# Altium PCB MiniPC.PcbDoc (part 3 of 23) (continued)
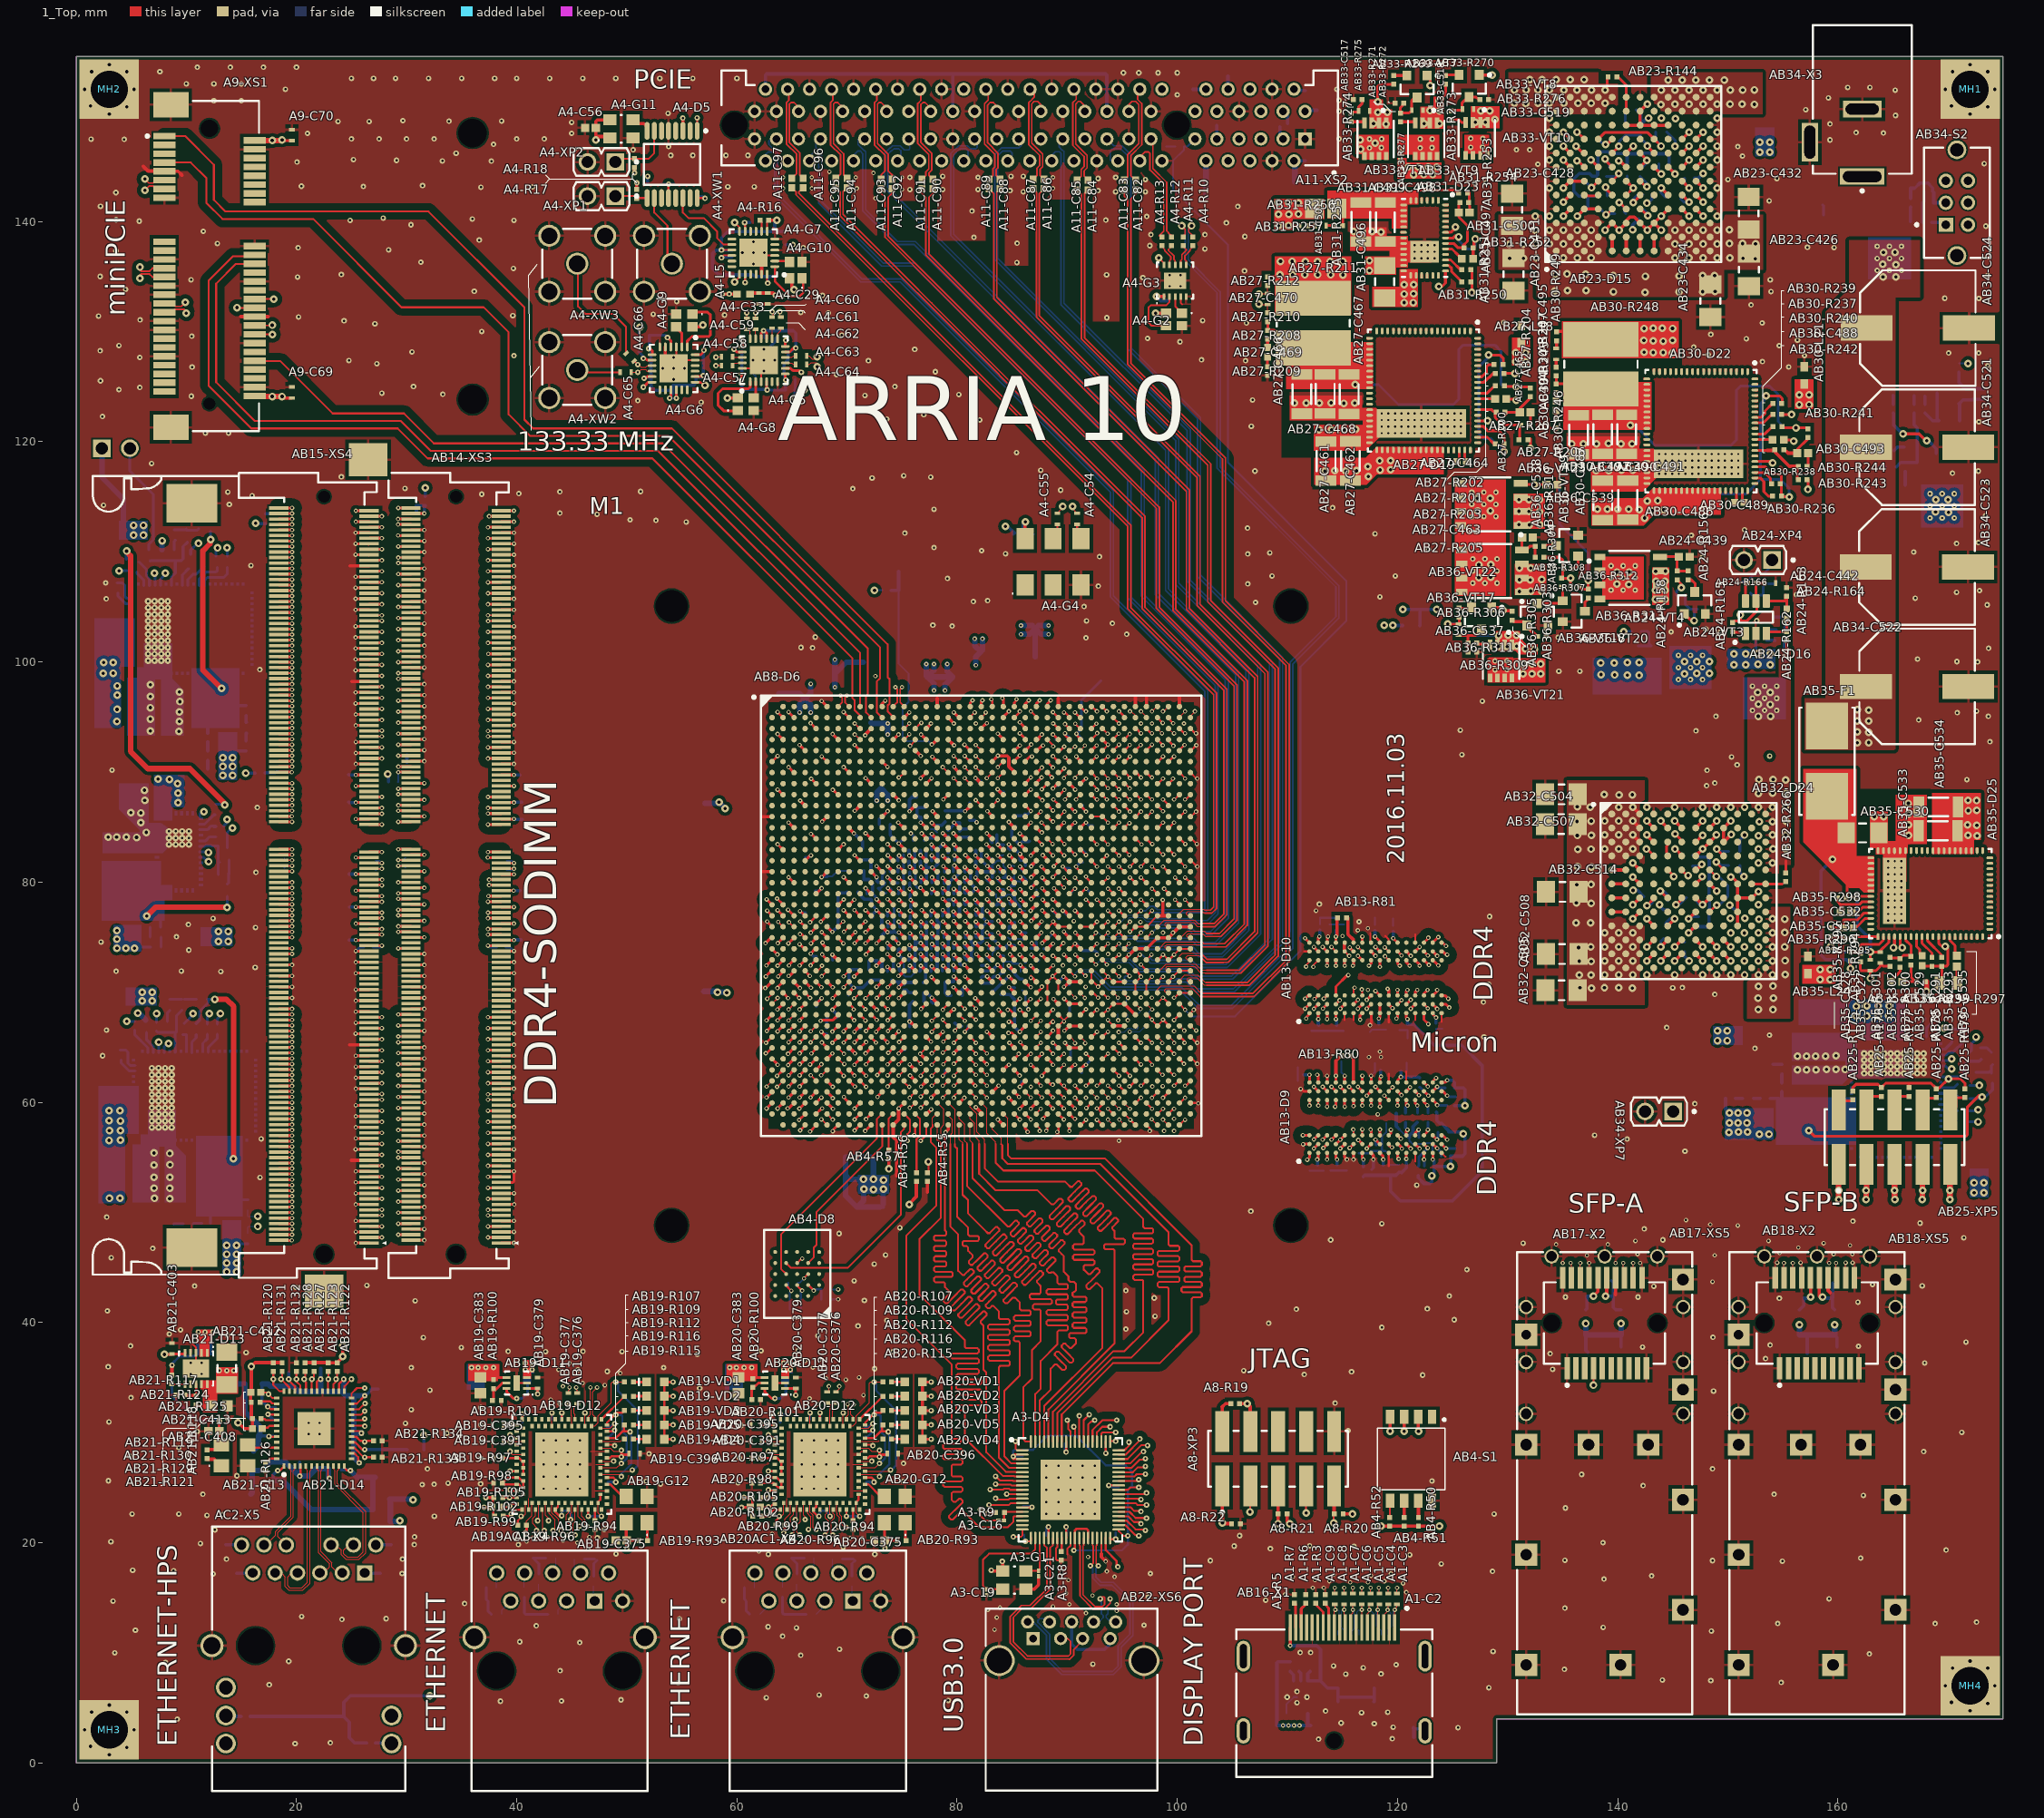
[diagram p0: 1_Top view]
## Components (designator, comment, footprint, x,y, rotation, side; value= is the part's Value field where it differs from the comment) (continued)
AB13-C342 "GRM033R60J104KE19D" CAPC0603X33X15LL03T05 118.2,62.9 r0 bottom locked (schematic designator C342)
AB13-C343 "GRM033R60J104KE19D" CAPC0603X33X15LL03T05 114.65,62.95 r180 bottom locked (schematic designator C343)
AB13-C344 "GRM033R60J104KE19D" CAPC0603X33X15LL03T05 120.575,62.825 r180 bottom locked (schematic designator C344)
AB13-C345 "GRM033R60J104KE19D" CAPC0603X33X15LL03T05 118.975,54.3 r180 bottom locked (schematic designator C345)
AB13-C346 "GRM033R60J104KE19D" CAPC0603X33X15LL03T05 118.325,56.175 r180 bottom locked (schematic designator C346)
AB13-C347 "GRM033R60J104KE19D" CAPC0603X33X15LL03T05 112.85,66.75 r90 bottom locked (schematic designator C347)
AB13-C348 "GRM033R60J104KE19D" CAPC0603X33X15LL03T05 112.725,54.05 r90 bottom locked (schematic designator C348)
AB13-C349 "GRM033R60J104KE19D" CAPC0603X33X15LL03T05 118.3,66.85 r90 bottom locked (schematic designator C349)
AB13-C350 "GRM033R60J104KE19D" CAPC0603X33X15LL03T05 112.95,75.9 r270 bottom locked (schematic designator C350)
AB13-C351 "GRM033R60J104KE19D" CAPC0603X33X15LL03T05 119.6,75.75 r270 bottom locked (schematic designator C351)
AB13-C352 "GRM033R60J104KE19D" CAPC0603X33X15LL03T05 123.5,66.925 r90 bottom locked (schematic designator C352)
AB13-C353 "GRM033R60J104KE19D" CAPC0603X33X15LL03T05 114.425,75.9 r270 bottom locked (schematic designator C353)
AB13-C354 "GRM033R60J104KE19D" CAPC0603X33X15LL03T05 117.95,75.85 r270 bottom locked (schematic designator C354)
AB13-C355 "GRM033R60J104KE19D" CAPC0603X33X15LL03T05 114.45,66.75 r90 bottom locked (schematic designator C355)
AB13-D9 "MT40A512M16LY-107E" MICT-LY-96_A 118,58.6 r90 top (schematic designator D9)
AB13-D10 "MT40A512M16LY-107E" MICT-LY-96_A 118,71.3 r90 top (schematic designator D10)
AB13-R64 "ERJ-2RKF2400X" RESC1005X40X25LL05T05 116.9,53.7 r270 bottom locked (schematic designator R64)
AB13-R65 "RC0402JR-0739RL" RESC1005X40X25LL05T05 123.4,58.1 r180 bottom locked (schematic designator R65)
AB13-R66 "RC0402JR-0739RL" RESC1005X40X25LL05T05 123.1,59.1 r180 bottom locked (schematic designator R66)
AB13-R67 "RC0402JR-0739RL" RESC1005X40X25LL05T05 124.2,57.3 r180 bottom locked (schematic designator R67)
AB13-R68 "RC0402JR-0739RL" RESC1005X40X25LL05T05 121.8,58.6 r90 bottom locked (schematic designator R68)
AB13-R69 "RC0402JR-0739RL" RESC1005X40X25LL05T05 121.5,56.8 r0 bottom locked (schematic designator R69)
AB13-R70 "RC0402JR-0739RL" RESC1005X40X25LL05T05 122,61.8 r270 bottom locked (schematic designator R70)
AB13-R71 "RC0402JR-0739RL" RESC1005X40X25LL05T05 121.87,53.75 r90 bottom (schematic designator R71)
AB13-R72 "RC0402JR-0739RL" RESC1005X40X25LL05T05 124.75,61.3 r180 bottom locked (schematic designator R72)
AB13-R73 "RC0402JR-0739RL" RESC1005X40X25LL05T05 124.4,55.1 r180 bottom locked (schematic designator R73)
AB13-R74 "RC0402JR-0739RL" RESC1005X40X25LL05T05 124.75,59.7 r180 bottom locked (schematic designator R74)
AB13-R75 "RC0402JR-0739RL" RESC1005X40X25LL05T05 120.3,58.2 r0 bottom locked (schematic designator R75)
AB13-R76 "RC0402JR-0739RL" RESC1005X40X25LL05T05 125.7,55.8 r180 bottom locked (schematic designator R76)
AB13-R77 "RC0402JR-0739RL" RESC1005X40X25LL05T05 120.3,59 r0 bottom locked (schematic designator R77)
AB13-R78 "RC0402JR-0739RL" RESC1005X40X25LL05T05 125.7,60.5 r180 bottom locked (schematic designator R78)
AB13-R79 "ERJ-2RKF2400X" RESC1005X40X25LL05T05 120.38,53.17 r90 bottom (schematic designator R79)
AB13-R80 "ERJ-2RKF2400X" RESC1005X40X25LL05T05 115.341,64.211 r180 top (schematic designator R80)
AB13-R81 "ERJ-2RKF2400X" RESC1005X40X25LL05T05 114.953,76.759 r180 top (schematic designator R81)
AB13-R82 "ERJ-2RKF2001X" RESC1005X40X25LL05T05 123.06,54.17 r0 bottom (schematic designator R82)
AB14-C356 "C1005X7R1E104M" CAPC1005X55X10LL05 30.025,90.4 r270 bottom (schematic designator C356)
AB14-C357 "C1005X7R1E104M" CAPC1005X55X10LL05 24.257,89.764 r180 bottom (schematic designator C357)
AB14-C358 "C1005X7R1E104M" CAPC1005X55X10LL05 24.257,87.249 r180 bottom (schematic designator C358)
AB14-C359 "C1005X7R1E104M" CAPC1005X55X10LL05 24.282,80.721 r180 bottom (schematic designator C359)
AB14-C360 "C1005X7R1E104M" CAPC1005X55X10LL05 24.308,77.724 r180 bottom (schematic designator C360)
AB14-C361 "C1005X7R1E104M" CAPC1005X55X10LL05 30.9,113 r270 bottom locked (schematic designator C361)
AB14-C362 "C1005X7R1E104M" CAPC1005X55X10LL05 24.282,74.727 r180 bottom (schematic designator C362)
AB14-R83 "RC0402JR-0739RL" RESC1005X40X25LL05T05 38.6,74.1 r180 bottom locked (schematic designator R83)
AB14-R84 "RC0402JR-0739RL" RESC1005X40X25LL05T05 30.8,90.4 r270 bottom locked (schematic designator R84)
AB14-R85 "RC0402JR-0739RL" RESC1005X40X25LL05T05 28.8,89.1 r0 bottom locked (schematic designator R85)
AB14-R86 "RC0402JR-0739RL" RESC1005X40X25LL05T05 30.5,114.2 r0 bottom locked (schematic designator R86)
AB14-R87 "RC0402JR-0739RL" RESC1005X40X25LL05T05 31.7,114.6 r270 bottom locked (schematic designator R87)
AB14-XS3 "AS0A823-H8SB-7H" FOXC-AS0A823-H8SB-7H_V 34.5,80.6 r90 top locked (schematic designator XS3)
AB15-C363 "C1005X7R1E104M" CAPC1005X55X10LL05 18.87,89.5 r270 bottom locked (schematic designator C363)
AB15-C364 "C1005X7R1E104M" CAPC1005X55X10LL05 40.792,89.713 r0 bottom (schematic designator C364)
AB15-C365 "C1005X7R1E104M" CAPC1005X55X10LL05 40.996,85.674 r0 bottom (schematic designator C365)
AB15-C366 "C1005X7R1E104M" CAPC1005X55X10LL05 40.894,74.752 r0 bottom (schematic designator C366)
AB15-C367 "C1005X7R1E104M" CAPC1005X55X10LL05 40.818,79.223 r0 bottom (schematic designator C367)
AB15-C368 "C1005X7R1E104M" CAPC1005X55X10LL05 18.87,113 r270 bottom locked (schematic designator C368)
AB15-C369 "C1005X7R1E104M" CAPC1005X55X10LL05 40.97,87.249 r0 bottom (schematic designator C369)
AB15-R88 "RC0402JR-0739RL" RESC1005X40X25LL05T05 26.525,74.1 r0 bottom locked (schematic designator R88)
AB15-R89 "RC0402JR-0739RL" RESC1005X40X25LL05T05 18.071,89.475 r90 bottom locked (schematic designator R89)
AB15-R90 "RC0402JR-0739RL" RESC1005X40X25LL05T05 16.7,89.9 r0 bottom locked (schematic designator R90)
AB15-R91 "RC0402JR-0739RL" RESC1005X40X25LL05T05 18.07,113 r90 bottom locked (schematic designator R91)
AB15-R92 "RC0402JR-0739RL" RESC1005X40X25LL05T05 17.2,113 r90 bottom locked (schematic designator R92)
AB15-XS4 "AS0A823-H4SB-7H" FOXC-AS0A823-H4SB-7H_V 22.5,80.6 r90 top locked (schematic designator XS4)
AB16-X1 "472720024" MOLX-472720024_V 114.25,7.15 r0 top locked (schematic designator X1)
AB17-C370 "C1005X7R1E104M" CAPC1005X55X10LL05 140.8,37.8 r180 bottom locked (schematic designator C370)
AB17-C371 "C2012X5R1C106K085AC" CAPC2013X100X20NL20 136.2,37.3 r0 bottom locked (schematic designator C371)
AB17-C372 "C1005X7R1E104M" CAPC1005X55X10LL05 140.1,42.4 r180 bottom locked (schematic designator C372)
AB17-C373 "C1005X7R1E104M" CAPC1005X55X10LL05 136.7,42.4 r0 bottom locked (schematic designator C373)
AB17-C374 "C2012X5R1C106K085AC" CAPC2013X100X20NL20 140.5,43.8 r180 bottom locked (schematic designator C374)
AB17-L9 "1008CS-102XFLC" COIL-1008CS_V 140.3,40 r0 bottom locked (schematic designator L9)
AB17-L10 "1008CS-102XFLC" COIL-1008CS_V 137.1,40 r0 bottom locked (schematic designator L10)
AB17-X2 "MECT-110-01-M-D-RA1" SMTC-MECT-110-01-M-D-RA1_V 138.8,39.95 r0 top locked (schematic designator X2)
AB17-XS5 "74754-0101" MOLX-74754-0101_V 138.8,27.45 r180 top locked (schematic designator XS5)
AB18-C370 "C1005X7R1E104M" CAPC1005X55X10LL05 160.4,37.8 r180 bottom locked (schematic designator C370)
AB18-C371 "C2012X5R1C106K085AC" CAPC2013X100X20NL20 156.125,37.2 r0 bottom locked (schematic designator C371)
AB18-C372 "C1005X7R1E104M" CAPC1005X55X10LL05 160,42.2 r180 bottom locked (schematic designator C372)
AB18-C373 "C1005X7R1E104M" CAPC1005X55X10LL05 156.4,42.2 r0 bottom locked (schematic designator C373)
AB18-C374 "C2012X5R1C106K085AC" CAPC2013X100X20NL20 160.6,43.6 r180 bottom locked (schematic designator C374)
AB18-L9 "1008CS-102XFLC" COIL-1008CS_V 159.7,40 r0 bottom locked (schematic designator L9)
AB18-L10 "1008CS-102XFLC" COIL-1008CS_V 156.5,40 r0 bottom locked (schematic designator L10)
AB18-X2 "MECT-110-01-M-D-RA1" SMTC-MECT-110-01-M-D-RA1_V 158.1,39.95 r0 top locked (schematic designator X2)
AB18-XS5 "74754-0101" MOLX-74754-0101_V 158.1,27.45 r180 top locked (schematic designator XS5)
AB19-C375 "GRM155R71H103KA88D" CAPC1005X55X25ML05T10 49.5,20.2 r0 top (schematic designator C375)
AB19-C376 "C1005X7R1E104M" CAPC1005X55X10LL05 45.5,33.1 r270 top (schematic designator C376)
AB19-C377 "C1005X7R1E104M" CAPC1005X55X10LL05 44.7,33.1 r270 top (schematic designator C377)
AB19-C378 "C2012X5R1C106K085AC" CAPC2013X100X20NL20 42.025,34.6 r180 bottom locked (schematic designator C378)
AB19-C379 "CGB2A1X5R1E105K033BC" CAPC1005X33X10LL5 41.9,34.5 r270 top (schematic designator C379)
AB19-C380 "C1005X7R1E104M" CAPC1005X55X10LL05 41.6,31.6 r180 bottom locked (schematic designator C380)
AB19-C381 "GRM31CR61E226KE15L" CAPC3216X180X55ML20T25 37.775,34.5 r180 bottom locked (schematic designator C381)
AB19-C382 "C1005X7R1E104M" CAPC1005X55X10LL05 43.2,30.6 r90 bottom locked (schematic designator C382)
AB19-C383 "GRM188R61A225KE34x" CAPC1608X90X35ML10T15 36.7,34.3 r90 top (schematic designator C383)
AB19-C384 "C1005X7R1E104M" CAPC1005X55X10LL05 40.5,30.4 r90 bottom locked (schematic designator C384)
AB19-C385 "C1005X7R1E104M" CAPC1005X55X10LL05 44.1,30.6 r90 bottom locked (schematic designator C385)
AB19-C386 "C1005X7R1E104M" CAPC1005X55X10LL05 47.7,30.5 r0 bottom locked (schematic designator C386)
AB19-C387 "GRM155R71H103KA88D" CAPC1005X55X25ML05T10 47.3,19 r90 bottom locked (schematic designator C387)
AB19-C388 "C1005X7R1E104M" CAPC1005X55X10LL05 47.7,29.6 r0 bottom locked (schematic designator C388)
AB19-C389 "C1005X7R1E104M" CAPC1005X55X10LL05 40.6,24.8 r180 bottom locked (schematic designator C389)
AB19-C390 "C1005X7R1E104M" CAPC1005X55X10LL05 95.4,68.55 r270 bottom (schematic designator C390)
AB19-C391 "C1005X7R1E104M" CAPC1005X55X10LL05 38.3,29.2 r0 top (schematic designator C391)
AB19-C392 "C1005X7R1E104M" CAPC1005X55X10LL05 44.5,23.4 r270 bottom locked (schematic designator C392)
AB19-C393 "C1005X7R1E104M" CAPC1005X55X10LL05 94.625,68.575 r270 bottom (schematic designator C393)
AB19-C394 "GRM155R71H103KA88D" CAPC1005X55X25ML05T10 41.1,18.6 r180 bottom locked (schematic designator C394)
AB19-C395 "C1005X7R1E104M" CAPC1005X55X10LL05 38.3,30.7 r0 top (schematic designator C395)
AB19-C396 "C1005X7R1E104M" CAPC1005X55X10LL05 50.7,28.1 r180 top (schematic designator C396)
AB19-C397 "C1005X7R1E104M" CAPC1005X55X10LL05 47.8,25.5 r0 bottom locked (schematic designator C397)
AB19-C398 "C1005X7R1E104M" CAPC1005X55X10LL05 47.1,23.3 r270 bottom locked (schematic designator C398)
AB19-C399 "GRM155R71H103KA88D" CAPC1005X55X25ML05T10 40.7,13.1 r270 bottom locked (schematic designator C399)
AB19-C400 "GRM155R71H103KA88D" CAPC1005X55X25ML05T10 36.9,14.7 r180 bottom locked (schematic designator C400)
AB19-D11 "LTC3025EDC-1#PBF" LT-DC6-6_V 40,34.5 r180 top (schematic designator D11)
AB19-D12 "88E1111-B2-NDC2C000" MARV-NDC96 44.1,27.1 r0 top locked (schematic designator D12)
AB19-G12 "SG-310SDF 25.0000M-B3" EPSON-SG-310-4_V 50.9,23 r90 top (schematic designator G12)
AB19-R93 "ERJ-2RKF1002X" RESC1005X40X25LL05T05 51.5,20.2 r0 top (schematic designator R93)
AB19-R94 "ERJ-2RKF4701X" RESC1005X40X25LL05T05 47.1,21.6 r270 top (schematic designator R94)
AB19-R95 "ERJ-2RKF4991X" RESC1005X40X25LL05T05 42,23.6 r90 bottom locked (schematic designator R95)
AB19-R96 "ERJ-2RKF4701X" RESC1005X40X25LL05T05 40.5,21.6 r180 top (schematic designator R96)
AB19-R97 "ERJ-2GE0R00X" RESC1005X40X25LL05T05 38.3,27.7 r0 top (schematic designator R97)
AB19-R98 "ERJ-2GE0R00X" RESC1005X40X25LL05T05 38.3,25.4 r0 top (schematic designator R98)
AB19-R99 "ERJ-2RKF4701X" RESC1005X40X25LL05T05 38.4,22.4 r180 top (schematic designator R99)
AB19-R100 "ERJ-2RKF1502X" RESC1005X40X25LL05T05 37.9,34.4 r90 top (schematic designator R100)
AB19-R101 "ERJ-2RKF1002X" RESC1005X40X25LL05T05 38.2,32.9 r180 top (schematic designator R101)
AB19-R102 "NRC04F49R9TRF" RESC1005X35X25NL8T10 38.2,23.225 r180 top (schematic designator R102)
AB19-R103 "NRC04F49R9TRF" RESC1005X35X25NL8T10 47,16.5 r90 bottom locked (schematic designator R103)
AB19-R104 "NRC04F49R9TRF" RESC1005X35X25NL8T10 45.7,18.5 r0 bottom locked (schematic designator R104)
AB19-R105 "ERJ-2RKF4701X" RESC1005X40X25LL05T05 38.325,24.1 r180 top (schematic designator R105)
AB19-R106 "NRC04F49R9TRF" RESC1005X35X25NL8T10 43.1,18.6 r180 bottom locked (schematic designator R106)
AB19-R107 "ERJ-2RKF2400X" RESC1005X40X25LL05T05 50.2,34.6 r180 top (schematic designator R107)
AB19-R108 "NRC04F49R9TRF" RESC1005X35X25NL8T10 42,16.7 r90 bottom locked (schematic designator R108)
AB19-R109 "ERJ-2RKF2400X" RESC1005X40X25LL05T05 50.2,33.3 r180 top (schematic designator R109)
AB19-R110 "NRC04F49R9TRF" RESC1005X35X25NL8T10 43.3,13.5 r180 bottom locked (schematic designator R110)
AB19-R111 "NRC04F49R9TRF" RESC1005X35X25NL8T10 40.7,15.5 r270 bottom locked (schematic designator R111)
AB19-R112 "ERJ-2RKF2400X" RESC1005X40X25LL05T05 50.2,32 r180 top (schematic designator R112)
AB19-R113 "NRC04F49R9TRF" RESC1005X35X25NL8T10 38.2,13.5 r180 bottom locked (schematic designator R113)
AB19-R114 "NRC04F49R9TRF" RESC1005X35X25NL8T10 37.7,15.9 r180 bottom locked (schematic designator R114)
AB19-R115 "ERJ-2RKF2400X" RESC1005X40X25LL05T05 50.2,29.4 r180 top (schematic designator R115)
AB19-R116 "ERJ-2RKF2400X" RESC1005X40X25LL05T05 50.2,30.7 r180 top (schematic designator R116)
AB19-VD1 "150060VS75000" 0603_A 52.6,34.6 r0 top (schematic designator VD1)
AB19-VD2 "150060VS75000" 0603_A 52.6,33.3 r0 top (schematic designator VD2)
AB19-VD3 "150060VS75000" 0603_A 52.6,32 r0 top (schematic designator VD3)
AB19-VD4 "150060VS75000" 0603_A 52.6,29.4 r0 top (schematic designator VD4)
AB19-VD5 "150060VS75000" 0603_A 52.6,30.7 r0 top (schematic designator VD5)
AB19AC1-X4 "7499111001A" WE-7499111001A_V 43.9,12.8 r180 top locked (schematic designator X4)
AB20-C375 "GRM155R71H103KA88D" CAPC1005X55X25ML05T10 72.95,20.2 r0 top (schematic designator C375)
AB20-C376 "C1005X7R1E104M" CAPC1005X55X10LL05 69,33.2 r270 top (schematic designator C376)
AB20-C377 "C1005X7R1E104M" CAPC1005X55X10LL05 68.2,33.2 r270 top (schematic designator C377)
AB20-C378 "C2012X5R1C106K085AC" CAPC2013X100X20NL20 65.475,34.6 r180 bottom locked (schematic designator C378)
AB20-C379 "CGB2A1X5R1E105K033BC" CAPC1005X33X10LL5 65.35,34.5 r270 top (schematic designator C379)
AB20-C380 "C1005X7R1E104M" CAPC1005X55X10LL05 65.05,31.6 r180 bottom locked (schematic designator C380)
AB20-C381 "GRM31CR61E226KE15L" CAPC3216X180X55ML20T25 61.225,34.5 r180 bottom locked (schematic designator C381)
AB20-C382 "C1005X7R1E104M" CAPC1005X55X10LL05 63.95,30.4 r90 bottom locked (schematic designator C382)
AB20-C383 "GRM188R61A225KE34x" CAPC1608X90X35ML10T15 60.15,34.3 r90 top (schematic designator C383)
AB20-C384 "C1005X7R1E104M" CAPC1005X55X10LL05 71.15,30.5 r0 bottom locked (schematic designator C384)
AB20-C385 "C1005X7R1E104M" CAPC1005X55X10LL05 67.55,30.6 r90 bottom locked (schematic designator C385)
AB20-C386 "C1005X7R1E104M" CAPC1005X55X10LL05 64.05,24.8 r180 bottom locked (schematic designator C386)
AB20-C387 "GRM155R71H103KA88D" CAPC1005X55X25ML05T10 70.75,19 r90 bottom locked (schematic designator C387)
AB20-C388 "C1005X7R1E104M" CAPC1005X55X10LL05 71.15,29.6 r0 bottom locked (schematic designator C388)
AB20-C389 "C1005X7R1E104M" CAPC1005X55X10LL05 67.95,23.4 r270 bottom locked (schematic designator C389)
AB20-C390 "C1005X7R1E104M" CAPC1005X55X10LL05 97.15,67.4 r270 bottom (schematic designator C390)
AB20-C391 "C1005X7R1E104M" CAPC1005X55X10LL05 61.75,29.2 r0 top (schematic designator C391)
AB20-C392 "C1005X7R1E104M" CAPC1005X55X10LL05 70.55,23.3 r270 bottom locked (schematic designator C392)
AB20-C393 "C1005X7R1E104M" CAPC1005X55X10LL05 96.325,67.425 r270 bottom (schematic designator C393)
AB20-C394 "GRM155R71H103KA88D" CAPC1005X55X25ML05T10 64.55,18.6 r180 bottom locked (schematic designator C394)
AB20-C395 "C1005X7R1E104M" CAPC1005X55X10LL05 61.75,30.7 r0 top (schematic designator C395)
AB20-C396 "C1005X7R1E104M" CAPC1005X55X10LL05 74.15,28.1 r180 top (schematic designator C396)
AB20-C397 "C1005X7R1E104M" CAPC1005X55X10LL05 71.25,25.5 r0 bottom locked (schematic designator C397)
AB20-C398 "C1005X7R1E104M" CAPC1005X55X10LL05 66.65,30.7 r90 bottom locked (schematic designator C398)
AB20-C399 "GRM155R71H103KA88D" CAPC1005X55X25ML05T10 64.15,13.1 r270 bottom locked (schematic designator C399)
AB20-C400 "GRM155R71H103KA88D" CAPC1005X55X25ML05T10 60.35,14.7 r180 bottom locked (schematic designator C400)
AB20-D11 "LTC3025EDC-1#PBF" LT-DC6-6_V 63.45,34.5 r180 top (schematic designator D11)
AB20-D12 "88E1111-B2-NDC2C000" MARV-NDC96 67.55,27.1 r0 top locked (schematic designator D12)
AB20-G12 "SG-310SDF 25.0000M-B3" EPSON-SG-310-4_V 74.35,23 r90 top (schematic designator G12)
AB20-R93 "ERJ-2RKF1002X" RESC1005X40X25LL05T05 74.95,20.2 r0 top (schematic designator R93)
AB20-R94 "ERJ-2RKF4701X" RESC1005X40X25LL05T05 70.55,21.6 r270 top (schematic designator R94)
AB20-R95 "ERJ-2RKF4991X" RESC1005X40X25LL05T05 65.4,23.1 r90 bottom locked (schematic designator R95)
AB20-R96 "ERJ-2RKF4701X" RESC1005X40X25LL05T05 63.95,21.6 r180 top (schematic designator R96)
AB20-R97 "ERJ-2GE0R00X" RESC1005X40X25LL05T05 61.75,27.7 r0 top (schematic designator R97)
AB20-R98 "ERJ-2GE0R00X" RESC1005X40X25LL05T05 61.75,25.4 r0 top (schematic designator R98)
AB20-R99 "ERJ-2RKF4701X" RESC1005X40X25LL05T05 61.85,22.4 r180 top (schematic designator R99)
AB20-R100 "ERJ-2RKF1502X" RESC1005X40X25LL05T05 61.45,34.5 r90 top (schematic designator R100)
AB20-R101 "ERJ-2RKF1002X" RESC1005X40X25LL05T05 61.75,33 r180 top (schematic designator R101)
AB20-R102 "NRC04F49R9TRF" RESC1005X35X25NL8T10 61.675,23.225 r180 top (schematic designator R102)
AB20-R103 "NRC04F49R9TRF" RESC1005X35X25NL8T10 70.45,16.5 r90 bottom locked (schematic designator R103)
AB20-R104 "NRC04F49R9TRF" RESC1005X35X25NL8T10 69.15,18.5 r0 bottom locked (schematic designator R104)
AB20-R105 "ERJ-2RKF4701X" RESC1005X40X25LL05T05 61.775,24.1 r180 top (schematic designator R105)
AB20-R106 "NRC04F49R9TRF" RESC1005X35X25NL8T10 66.55,18.6 r180 bottom locked (schematic designator R106)
AB20-R107 "ERJ-2RKF2400X" RESC1005X40X25LL05T05 73.65,34.6 r180 top (schematic designator R107)
AB20-R108 "NRC04F49R9TRF" RESC1005X35X25NL8T10 65.45,16.7 r90 bottom locked (schematic designator R108)
AB20-R109 "ERJ-2RKF2400X" RESC1005X40X25LL05T05 73.65,33.3 r180 top (schematic designator R109)
AB20-R110 "NRC04F49R9TRF" RESC1005X35X25NL8T10 66.75,13.5 r180 bottom locked (schematic designator R110)
AB20-R111 "NRC04F49R9TRF" RESC1005X35X25NL8T10 64.15,15.5 r270 bottom locked (schematic designator R111)
AB20-R112 "ERJ-2RKF2400X" RESC1005X40X25LL05T05 73.65,32 r180 top (schematic designator R112)
AB20-R113 "NRC04F49R9TRF" RESC1005X35X25NL8T10 61.65,13.5 r180 bottom locked (schematic designator R113)
AB20-R114 "NRC04F49R9TRF" RESC1005X35X25NL8T10 61.15,15.9 r180 bottom locked (schematic designator R114)
AB20-R115 "ERJ-2RKF2400X" RESC1005X40X25LL05T05 73.65,29.4 r180 top (schematic designator R115)
AB20-R116 "ERJ-2RKF2400X" RESC1005X40X25LL05T05 73.65,30.7 r180 top (schematic designator R116)
AB20-VD1 "150060VS75000" 0603_A 76.05,34.6 r0 top (schematic designator VD1)
AB20-VD2 "150060VS75000" 0603_A 76.05,33.3 r0 top (schematic designator VD2)
AB20-VD3 "150060VS75000" 0603_A 76.05,32 r0 top (schematic designator VD3)
AB20-VD4 "150060VS75000" 0603_A 76.05,29.4 r0 top (schematic designator VD4)
AB20-VD5 "150060VS75000" 0603_A 76.05,30.7 r0 top (schematic designator VD5)
AB20AC1-X4 "7499111001A" WE-7499111001A_V 67.35,12.8 r180 top locked (schematic designator X4)
AB21-C401 "C2012X5R1C106K085AC" CAPC2013X100X20NL20 10.597,37.925 r0 bottom locked (schematic designator C401)
AB21-C402 "C2012X5R1C106K085AC" CAPC2013X100X20NL20 30.8,23.95 r180 bottom locked (schematic designator C402)
AB21-C403 "CGB2A1X5R1E105K033BC" CAPC1005X33X10LL5 8.697,37.625 r270 top (schematic designator C403)
AB21-C404 "C2012X5R1C106K085AC" CAPC2013X100X20NL20 29.6,21.95 r180 bottom locked (schematic designator C404)
AB21-C405 "GRM31CR61E226KE15L" CAPC3216X180X55ML20T25 28.1,29.95 r270 bottom locked (schematic designator C405)
AB21-C406 "GRM188R61A225KE34x" CAPC1608X90X35ML10T15 19.1,31.15 r180 bottom locked (schematic designator C406)
AB21-C407 "C1005X7R1E104M" CAPC1005X55X10LL05 19.3,35.95 r90 bottom locked (schematic designator C407)
AB21-C408 "GRM155R71H103KA88D" CAPC1005X55X25ML05T10 12.497,30.125 r0 top (schematic designator C408)
AB21-C409 "GRM31CR61E226KE15L" CAPC3216X180X55ML20T25 28.6,25.95 r180 bottom locked (schematic designator C409)
AB21-C410 "GRM188R61A225KE34x" CAPC1608X90X35ML10T15 17.897,24.925 r90 bottom locked (schematic designator C410)
AB21-C411 "C1005X7R1E104M" CAPC1005X55X10LL05 24.097,27.125 r270 bottom locked (schematic designator C411)
AB21-C412 "GRM31CR61E226KE15L" CAPC3216X180X55ML20T25 13.687,35.825 r270 top (schematic designator C412)
AB21-C413 "GRM188R61A225KE34x" CAPC1608X90X35ML10T15 12.997,32.425 r180 top (schematic designator C413)
AB21-C414 "C1005X7R1E104M" CAPC1005X55X10LL05 20.297,27.825 r270 bottom locked (schematic designator C414)
AB21-C415 "C1005X7R1E104M" CAPC1005X55X10LL05 18.6,32.25 r180 bottom locked (schematic designator C415)
AB21-C416 "GRM188R61A225KE34x" CAPC1608X90X35ML10T15 22.897,27.425 r270 bottom locked (schematic designator C416)
AB21-C417 "GRM188R61A225KE34x" CAPC1608X90X35ML10T15 22.2,36.55 r270 bottom locked (schematic designator C417)
AB21-C418 "GRM31CR61E226KE15L" CAPC3216X180X55ML20T25 14.397,24.425 r0 bottom locked (schematic designator C418)
AB21-C419 "GRM31CR61E226KE15L" CAPC3216X180X55ML20T25 28.9,33.95 r180 bottom locked (schematic designator C419)
AB21-C420 "C1005X7R1E104M" CAPC1005X55X10LL05 18.7,29.65 r180 bottom locked (schematic designator C420)
AB21-C421 "GRM188R61A225KE34x" CAPC1608X90X35ML10T15 15.837,29.7 r0 bottom locked (schematic designator C421)
AB21-C422 "GRM31CR61E226KE15L" CAPC3216X180X55ML20T25 13.697,35.825 r270 bottom locked (schematic designator C422)
AB21-D13 "LTC3026EDD-1#PBF" LT-DD-10_V 10.887,35.825 r270 top locked (schematic designator D13)
AB21-D14 "KSZ9031RNXCA" MICL-QFN-48_V 21.612,30.375 r90 top locked (schematic designator D14)
AB21-G13 "SG-310SDF 25.0000M-B3" EPSON-SG-310-4_V 14.387,27.925 r0 top (schematic designator G13)
AB21-L11 "742792609" SMD-0603 30.8,28.45 r180 bottom locked (schematic designator L11)
AB21-L12 "742792609" SMD-0603 27.7,23.95 r180 bottom locked (schematic designator L12)
AB21-L13 "742792609" SMD-0603 16.097,34.425 r0 bottom locked (schematic designator L13)
AB21-L14 "742792609" SMD-0603 15.997,27.325 r270 bottom locked (schematic designator L14)
AB21-R117 "ERJ-2RKF1002X" RESC1005X40X25LL05T05 8.687,34.825 r270 top (schematic designator R117)
AB21-R118 "ERJ-2RKF1002X" RESC1005X40X25LL05T05 11.887,28.025 r270 top (schematic designator R118)
AB21-R119 "NRC04F49R9TRF" RESC1005X35X25NL8T10 16.3,33.65 r180 top (schematic designator R119)
AB21-R120 "ERJ-2RKF4701X" RESC1005X40X25LL05T05 17.9,35.95 r90 top (schematic designator R120)
AB21-R121 "NRC04F49R9TRF" RESC1005X35X25NL8T10 16.45,30.35 r180 top (schematic designator R121)
AB21-R122 "ERJ-2RKF4701X" RESC1005X40X25LL05T05 23.7,35.95 r270 top (schematic designator R122)
AB21-R123 "ERJ-2RKF4701X" RESC1005X40X25LL05T05 22.9,35.95 r270 top (schematic designator R123)
AB21-R124 "ERJ-2RKF1001X" RESC1005X40X25LL05T05 9.487,33.425 r0 top (schematic designator R124)
AB21-R125 "ERJ-2RKF2001X" RESC1005X40X25LL05T05 10.887,32.925 r270 top (schematic designator R125)
AB21-R126 "CRCW040212K1FKED" RESC1005X40X25LL05T05 17.187,26.925 r270 top (schematic designator R126)
AB21-R127 "ERJ-2RKF4701X" RESC1005X40X25LL05T05 21.6,35.95 r270 top (schematic designator R127)
AB21-R128 "ERJ-2RKF4701X" RESC1005X40X25LL05T05 20.8,35.95 r270 top (schematic designator R128)
AB21-R129 "ERJ-2RKF4701X" RESC1005X40X25LL05T05 16.4,31.25 r0 top (schematic designator R129)
AB21-R130 "ERJ-2RKF4701X" RESC1005X40X25LL05T05 16.3,32.75 r180 top (schematic designator R130)
AB21-R131 "ERJ-2RKF4701X" RESC1005X40X25LL05T05 18.7,35.95 r270 top (schematic designator R131)
AB21-R132 "ERJ-2RKF4701X" RESC1005X40X25LL05T05 20,35.95 r90 top (schematic designator R132)
AB21-R133 "ERJ-2RKF4701X" RESC1005X40X25LL05T05 27.4,27.75 r0 top (schematic designator R133)
AB21-R134 "ERJ-2RKF4701X" RESC1005X40X25LL05T05 27.4,29.25 r0 top (schematic designator R134)
AB22-XS6 "10117835" FCI-10117835_V 90.4,11.045 r0 top locked (schematic designator XS6)
AB23-C423 "GRM31CR61E226KE15L" CAPC3216X180X55ML20T25 150.9,149.725 r90 bottom locked (schematic designator C423)
AB23-C424 "GRM31CR61E226KE15L" CAPC3216X180X55ML20T25 131.7,149.825 r90 bottom locked (schematic designator C424)
AB23-C425 "GRM31CR60J107ME39L" CAPC3216X190X55ML30T25 132.31,134.34 r0 bottom (schematic designator C425)
AB23-C426 "GRM31CR60J107ME39L" CAPC3216X190X55ML30T25 151.9,135.6 r90 top (schematic designator C426)
AB23-C427 "CGJ2B2X7R1E222K050BA" CAPC1005X55X10ML05 140.7,148.425 r270 bottom locked (schematic designator C427)
AB23-C428 "GRM31CR60J107ME39L" CAPC3216X190X55ML30T25 130.41,141.05 r270 top (schematic designator C428)
AB23-C429 "GRM31CR60J107ME39L" CAPC3216X190X55ML30T25 150.71,134.34 r180 bottom (schematic designator C429)
AB23-C430 "ECJ-0EC1H680J" CAPC1005X55X20ML5T10 142.1,148.335 r270 bottom locked (schematic designator C430)
AB23-C431 "GRM31CR60J107ME39L" CAPC3216X190X55ML30T25 130.54,135.19 r90 top (schematic designator C431)
AB23-C432 "GRM31CR60J107ME39L" CAPC3216X190X55ML30T25 151.89,140.74 r270 top (schematic designator C432)
AB23-C433 "6TPF330M9L" PNSC-TPF-D3L_V 130.4,140.85 r90 bottom locked (schematic designator C433)
AB23-C434 "GRM31CR60J107ME39L" CAPC3216X190X55ML30T25 148.42,132.79 r90 top (schematic designator C434)
AB23-C435 "6TPF330M9L" PNSC-TPF-D3L_V 152.2,140.85 r90 bottom locked (schematic designator C435)
AB23-D15 "LTM4676IY#PBF" LT-BGA-144-05-08-1920_V 141.4,144.3 r90 top locked (schematic designator D15)
AB23-L15 "742792609" SMD-0603 153.67,148.86 r270 bottom (schematic designator L15)
AB23-R135 "ERJ-2GE0R00X" RESC1005X40X25LL05T05 143.938,148.138 r0 bottom locked (schematic designator R135)
AB23-R136 "ERJ-2GE0R00X" RESC1005X40X25LL05T05 137.68,147.52 r180 bottom locked (schematic designator R136)
AB23-R137 "ERJ-2GE0R00X" RESC1005X40X25LL05T05 145.11,142.22 r0 bottom locked (schematic designator R137)
AB23-R138 "ERJ-2RKF4751X" RESC1005X40X25LL05T05 141.2,150.125 r180 bottom locked (schematic designator R138)
AB23-R139 "CRCW040222K6FKED" RESC1005X40X25LL05T05 141.9,140.625 r90 bottom locked (schematic designator R139)
AB23-R140 "ERJ-2RKF1002X" RESC1005X40X25LL05T05 140.85,144.575 r90 bottom locked (schematic designator R140)
AB23-R141 "ERJ-2RKF1002X" RESC1005X40X25LL05T05 146.51,143.92 r0 bottom locked (schematic designator R141)
AB23-R142 "CRCW040222K6FKED" RESC1005X40X25LL05T05 142.7,142.425 r0 bottom locked (schematic designator R142)
AB23-R143 "CRCW040222K6FKED" RESC1005X40X25LL05T05 142,144.5 r90 bottom locked (schematic designator R143)
AB23-R144 "ERJ-2GE0R00X" RESC1005X40X25LL05T05 139.52,153.12 r180 top (schematic designator R144)
AB23-R145 "ERJ-2GE0R00X" RESC1005X40X25LL05T05 140.22,140.72 r180 bottom locked (schematic designator R145)
AB23-R146 "ERJ-2RKF1002X" RESC1005X40X25LL05T05 144.2,145.225 r0 bottom locked (schematic designator R146)
AB23-R147 "ERJ-2RKF1002X" RESC1005X40X25LL05T05 138.8,144.925 r180 bottom locked (schematic designator R147)
AB23-R148 "ERJ-2RKF1002X" RESC1005X40X25LL05T05 137.75,141.075 r180 bottom locked (schematic designator R148)
AB23-R149 "ERJ-2RKF1002X" RESC1005X40X25LL05T05 138.5,144.1 r180 bottom locked (schematic designator R149)
AB23-R150 "ERJ-2RKF1002X" RESC1005X40X25LL05T05 136.5,143.575 r180 bottom locked (schematic designator R150)
AB23-R151 "ERJ-2RKF1002X" RESC1005X40X25LL05T05 138.6,142.3 r180 bottom locked (schematic designator R151)
AB24-C436 "GRM155R71H103KA88D" CAPC1005X55X25ML05T10 141.345,101.45 r0 bottom locked (schematic designator C436)
AB24-C437 "C3216X5R1A476M160AB" CAPC3216X180X20ML20 141.145,96.15 r90 bottom locked (schematic designator C437)
AB24-C438 "C3216X5R1A476M160AB" CAPC3216X180X20ML20 138.81,96.16 r90 bottom (schematic designator C438)
AB24-C439 "GRM155R71H103KA88D" CAPC1005X55X25ML05T10 146.045,109.55 r180 top (schematic designator C439)
AB24-C440 "C1005X7R1E104M" CAPC1005X55X10LL05 152.045,105.75 r90 bottom locked (schematic designator C440)